# Altium PCB LimePSB-RPCM_1v2.PcbDoc (part 5 of 10)
Units mm, origin at the board's own origin, x right, y up, seen from the top; angles counter-clockwise.
Board outline 170 x 110 mm, 6 copper layers (Top, L2, L3, L4, L5, Bottom), stack 1.583 mm thick; 800 components, 483 nets, 3453 pads, 1534 vias.
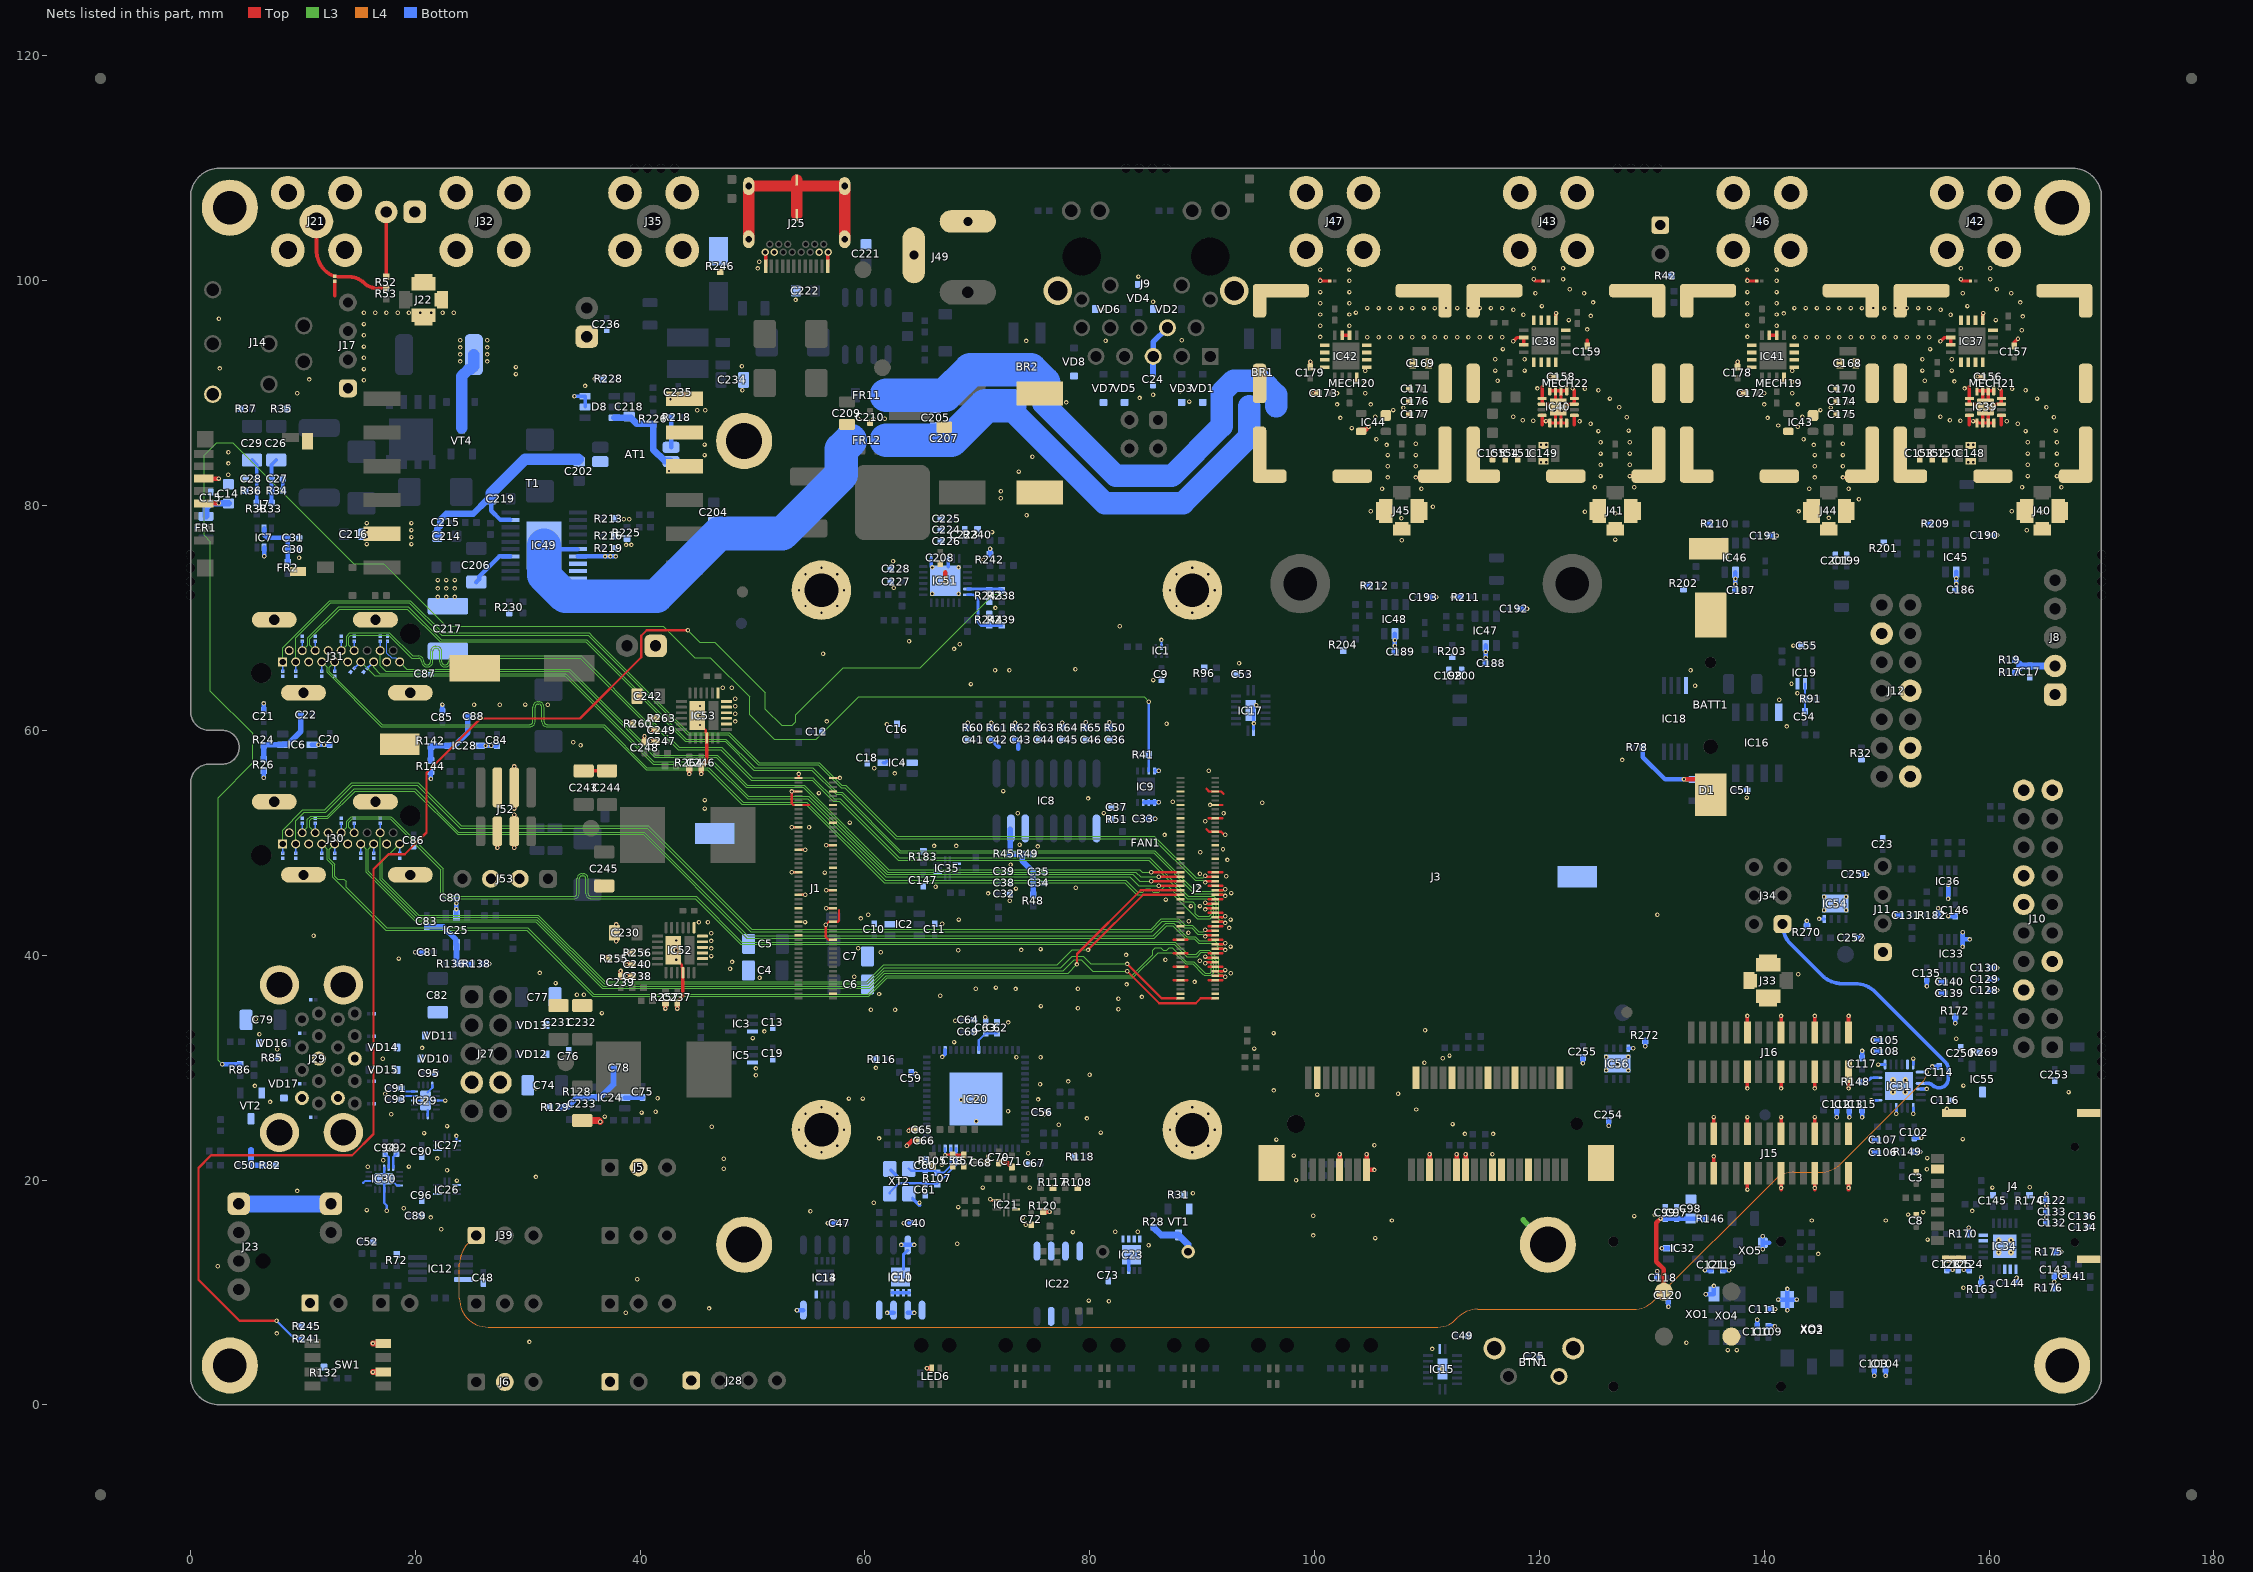
[diagram p9: the nets of this part, all layers, seen from the top]

## Via types
v1: diameter 0.4, hole 0.2, Top to Bottom, tented both sides, 1514 vias
v2: diameter 0.5, hole 0.2, Top to Bottom, tented both sides, 20 vias

## Nets (pads, with @x,y where several pads share a name; then routed paths per layer and width w, separated by ;. In a path a pad name is that pad's centre, name@x,y a point inside that pad or via, vN(x,y) a via of type N, cw(c..) or ccw(c..) an arc to the next point about the centre after c; other vN are vias at no path point) (continued)
GND: BATT1.NEGATIVE BTN1.2 BTN1.Shield C3.1 C4.1 C5.1 C6.1 C7.1 C8.1 C9.2 C10.2 C11.2 C12.2 C13.2 C14.1 C15.2 C16.2 C17.2 C18.2 C19.2 C20.2 C21.2 C23.2 C24.2 C25.2 C27.2 C28.1 C30.1 C31.2 C32.1 C33.2 C34.1 C35.2 C36.2 C37.2 C38.1 C39.1 C40.2 C41.2 C42.2 C43.2 C44.2 C45.2 C46.2 C47.2 C48.2 C49.1 C51.2 C52.2 C53.1 C55.2 C56.1 C57.1 C58.2 C59.2 C60.1 C61.1 C62.1 C63.2 C64.1 C65.2 C66.2 C67.2 C68.2 C69.2 C70.2 C71.1 C72.2 C73.2 C74.1 C75.2 C76.2 C77.1 C79.1 C80.2 C81.2 C82.1 C84.2 C85.2 C86.2 C87.2 C89.2 C90.2 C95.2 C96.2 C97.1 C98.1 C99.2 C102.1 C103.1 C104.1 C105.1 C106.1 C107.1 C108.1 C109.1 C110.1 C111.1 C112.1 C113.1 C114.1 C115.1 C116.1 C117.1 C118.1 C119.1 C120.1 C121.1 C122.1 C123.1 C124.2 C125.2 C128.1 C129.2 C130.2 C131.1 C132.2 C133.2 C134.1 C135.2 C136.2 C139.1 C140.2 C141.1 C143.1 C144.2 C145.2 C146.2 C147.2 C148.2 C149.2 C150.1 C151.1 C152.2 C153.1 C154.2 C155.1 C156.2 C157.1 C158.2 C159.1 C168.2 C169.2 C170.1 C171.1 C172.2 C173.2 C174.2 C175.1 C176.2 C177.1 C178.2 C179.2 C186.2 C187.2 C188.2 C189.2 C190.2 C191.2 C192.2 C193.2 C198.1 C199.1 C200.2 C201.2 C207.1 C208.2 C209.1 C210.2 C211.2 C212.2 C217.1 C221.1 C222.1 C223.1 C224.1 C225.2 C226.2 C227.2 C228.2 C230.1 C231.1 C232.1 C233.1 C234.1 C235.2 C236.2 C237.2 C238.2 C239.2 C240.2 C242.1 C243.1 C244.1 C245.1 C246.2 C247.2 C248.2 C249.1 C250.1 C251.1 C252.1 C253.1 C254.1 C255.1 D8.5 D8.6 ESD1.2 ESD2.2 ESD3.2 ESD4.2 ESD5.2 ESD6.2 ESD7.2 ESD8.2 ESD9.2 ESD10.2 ESD11.2 ESD12.2 ESD13.2 ESD14.2 ESD15.2 ESD16.2 ESD17.2 ESD18.2 ESD19.2 ESD20.2 ESD21.2 ESD22.2 ESD23.2 ESD24.2 ESD25.2 ESD26.2 ESD27.2 ESD28.2 ESD29.2 ESD30.2 ESD31.2 ESD32.2 ESD33.2 ESD34.2 ESD35.2 ESD36.2 ESD37.2 FAN1.1 IC1.2 IC2.2 IC3.3 IC4.2 IC4.5 IC5.3 IC6.2 IC7.2 IC8.9 IC8.14 IC9.4 IC9.5 IC9.6 IC9.7 IC10.1 IC10.2 IC10.3 IC10.4 IC10.7 IC11.1 IC11.2 IC11.3 IC11.4 IC11.7 IC11.PAD IC12.4 IC13.4 IC14.4 IC15.8 IC15.PAD IC16.4 IC17.8 IC17.PAD IC18.4 IC19.3 IC20.19 IC20.PAD IC21.3 IC21.8 IC22.1 IC22.2 IC22.3 IC22.4 IC22.7 IC23.1 IC23.2 IC23.3 IC23.4 IC23.7 IC23.PAD IC24.2 IC25.2 IC26.3 IC26.8 IC27.3 IC27.8 IC28.2 IC29.3 IC29.7 IC29.12 IC29.18 IC29.PAD IC30.3 IC30.7 IC30.12 IC30.18 IC30.PAD IC31.1 IC31.7 IC31.11 IC31.12 IC31.16 IC31.19 IC31.22 IC31.25 IC32.2 IC33.8 IC34.1 IC34.2 IC34.3 IC34.9 IC34.10 IC34.21 IC35.3 IC35.8 IC36.5 IC37.4 IC37.5 IC37.6 IC37.7 IC37.8 IC37.10 IC37.11 IC37.13 IC37.14 IC37.15 IC37.16 IC38.4 IC38.5 IC38.6 IC38.7 IC38.8 IC38.10 IC38.11 IC38.13 IC38.14 IC38.15 IC38.16 IC39.1 IC39.3 IC39.4 IC39.5 IC39.6 IC39.7 IC39.8 IC39.9 IC39.10 IC39.12 IC39.13 IC39.14 IC39.15 IC39.16 IC39.PAD IC40.1 IC40.3 IC40.4 IC40.5 IC40.6 IC40.7 IC40.8 IC40.9 IC40.10 IC40.12 IC40.13 IC40.14 IC40.15 IC40.16 IC40.PAD IC41.4 IC41.5 IC41.6 IC41.7 IC41.8 IC41.10 IC41.11 IC41.13 IC41.14 IC41.15 IC41.16 IC42.4 IC42.5 IC42.6 IC42.7 IC42.8 IC42.10 IC42.11 IC42.13 IC42.14 IC42.15 IC42.16 IC43.2 IC43.4 IC44.2 IC44.4 IC45.2 IC46.2 IC47.2 IC48.2 IC51.19 IC51.22 IC51.25 IC52.4 IC52.8 IC52.9 IC52.10 IC52.11 IC52.12 IC52.13 IC52.25 IC53.4 IC53.8 IC53.9 IC53.10 IC53.11 IC53.12 IC53.13 IC53.25 IC54.4 IC54.9 IC55.3 IC56.4 IC56.9 J1.1 J1.2 J1.7 J1.8 J1.13 J1.14 J1.22 J1.23 J1.32 J1.33 J1.42 J1.43 J1.52 J1.53 J1.59 J1.60 J1.65 J1.66 J1.71 J1.74 J1.98 J2.7 J2.8 J2.13 J2.14 J2.19 J2.20 J2.25 J2.26 J2.31 J2.32 J2.37 J2.38 J2.44 J2.50 J2.55 J2.56 J2.61 J2.62 J2.67 J2.68 J2.73 J2.74 J2.79 J2.80 J2.85 J2.86 J2.91 J2.92 J2.97 J2.98 J3.4 J3.9 J3.15 J3.18 J3.21 J3.26 J3.27 J3.29 J3.34 J3.35 J3.37 J3.40 J3.43 J3.50 J3.53 J3.54 J4.C5 J4.G1 J4.G2 J4.G3 J4.G4 J5.2 J6.2 J7.6 J7.12 J7.13 J8.1 J9.S1 J9.S2 J10.6 J10.7 J10.12 J10.14 J10.19 J10.20 J11.1 J12.1 J12.3 J12.7 J12.12 J14.4 J15.1 J15.4 J15.7 J15.10 J15.13 J16.1 J16.4 J16.7 J16.10 J17.1 J18.1 J19.1 J20.1 J21.2 J22.2 J25.A1 J25.A12 J25.B1 J25.B12 J25.GND J25.GND1 J25.Shell J27.7 J27.8 J28.1 J29.4 J29.7 J29.13 J29.16 J29.SHIELD J30.2 J30.5 J30.8 J30.11 J30.17 J30.S1 J30.S2 J30.S3 J30.S4 J31.2 J31.5 J31.8 J31.11 J31.17 J31.S1 J31.S2 J31.S3 J31.S4 J32.2 J33.2 J35.2 J40.2 J41.2 J42.2 J43.2 J44.2 J45.2 J46.2 J47.2 J48.1 J49.2 J49.3 J50.1 J51.1 J52.2 J52.3 J53.2 J53.3 LED6.3 MECH19.1 MECH20.1 MECH21.1 MECH22.1 MECH30.MH1 MECH31.MH1 MECH32.MH1 MECH33.MH1 pad.1 R26.1 R31.2 R32.1 R34.1 R35.2 R36.2 R37.1 R42.2 R49.2 R50.2 R51.2 R60.1 R61.1 R62.1 R63.1 R64.1 R65.1 R72.2 R82.1 R85.2 R96.2 R105.2 R108.2 R116.1 R117.2 R118.1 R120.2 R129.1 R132.2 R138.1 R144.1 R149.1 R163.1 R170.1 R172.2 R174.2 R175.2 R176.1 R182.2 R183.2 R201.2 R202.2 R203.2 R204.2 R209.1 R210.1 R211.1 R212.1 R228.2 R240.2 R242.1 R243.1 R244.1 R245.2 R246.2 R255.2 R256.2 R257.1 R260.2 R263.2 R264.1 R269.2 R270.2 R272.2 SW1.6 SW1.8 T1.10 T1.11 T1.12 TP7.1 TP8.1 TP9.1 TP10.1 VD1.K VD2.K VD3.K VD4.K VD5.K VD6.K VD7.K VD8.K VD10.K VD11.K VD12.K VD13.K VD14.K VD15.K VD16.K VD17.K VD22.A VT1.S VT2.S XO1.2 XO2.2 XO3.2 XO4.4 XO5.2 XT2.2 XT2.4 | length 338.7
  Top w0.15: 57.69,43.065 57.69,44.025
  Top w0.2: IC52.25@42.95,40.45 43.075,40.325 43.55,39.85 43.55,39.3 43.7,39.15 43.7,38.925 IC52.4@43.8,38.825 ; IC53.25@45.075,61.325 45.2,61.2 45.675,60.725 45.675,60.175 45.825,60.025 45.825,59.8 IC53.4@45.925,59.7 ; v1(53.475,47.375) J1.43@54.085,47.375 ; v1(53.475,51.375) J1.23@54.085,51.375 ; J1.53@54.085,45.375 v1(54.695,45.375) ; J1.33@54.085,49.375 v1(54.695,49.375) ; J1.7@54.085,54.575 v1(53.475,54.575) 53.475,53.525 53.625,53.375 55.075,53.375 ; J1.1@54.085,55.775 54.1,55.775 v1(54.1,56.125) ; v1(56.555,44.175) J1.60@57.165,44.175 ; v1(56.555,45.775) J1.52@57.165,45.775 ; v1(56.555,49.775) J1.32@57.165,49.775 ; J1.74@57.165,41.375 56.75,41.375 56.5,41.625 v1(56.5,42.7) 56.775,42.975 57.575,42.975 57.665,43.065 ; J1.2@57.165,55.775 v1(57.775,55.775) ; v1(71.15,18.3) 71.25,18.2 IC21.3@71.725,18.2 ; 87.475,37.775 88.695,37.775 ; 87.475,38.975 88.695,38.975 ; 87.475,40.175 88.695,40.175 ; 87.475,41.375 88.695,41.375 ; 90.375,51.2 90.6,50.975 J2.26@91.165,50.975 91.7,50.975 v1@91.9,50.775 ; 90.375,54.8 90.6,54.575 J2.8@91.165,54.575 91.7,54.575 91.9,54.375 ; 90.555,37.775 91.775,37.775 ; 90.555,38.975 91.775,38.975 ; 90.555,40.175 91.775,40.175 ; 90.555,41.375 91.775,41.375 ; 90.555,42.575 91.775,42.575 ; 90.555,43.775 91.775,43.775 ; 90.555,44.975 J2.56@91.165,44.975 91.775,44.975 ; 90.555,46.175 91.775,46.175 ; 90.555,47.375 91.775,47.375 ; 90.555,52.175 91.775,52.175 ; v1(90.7,53.375) 91.775,53.375
  Top w0.3: 12.825,98.675 ESD1.2@12.825,99.95 ; C243.1@34.975,56.4 C244.1@37.05,56.4 ; J25.A12@51.175,101.295 J25.B1@51.175,102.495 ; J25.A1@56.675,101.295 J25.B12@56.675,102.495 ; v1@100.5,100.125 100.65,99.975 ESD37.2@101.35,99.975 ; IC42.11@102.45,95.165 IC42.10@103.1,95.165 ; v1(109,82.5) 109.7,82.5 MECH20.1@109.85,82.35 ; v1(117.675,94.625) 118,94.95 IC38.10@118.6,94.95 IC38.11@118.6,94.3 ; v1(119.5,100.125) 119.65,99.975 ESD35.2@120.35,99.975 ; 120.25,87.175 IC40.12@120.25,88.025 ; 120.25,90.575 IC40.10@120.25,89.025 IC40.PAD@121.1,89.025 ; v1(120.575,87.525) 120.594,87.506 120.925,87.506 IC40.13@120.925,87.35 IC40.14@121.425,87.35 ; IC40.8@120.925,90.2 IC40.5@122.425,90.2 ; IC40.PAD@121.425,88.2 IC40.14@121.425,87.35 ; IC40.PAD@121.425,89.35 IC40.7@121.425,90.2 ; IC38.5@121.45,96.5 v1@121.45,97.15 ; IC40.PAD@121.925,88.2 IC40.15@121.925,87.35 ; IC40.PAD@121.925,89.35 IC40.6@121.925,90.2 ; IC40.PAD@122.25,89.025 IC40.3@123.1,89.025 123.1,90.275 v1(122.95,90.425) ; IC40.16@122.425,87.35 IC40.15@121.925,87.35 ; 123.1,87.175 IC40.1@123.1,88.025 ; C159.1@124.25,94.2 124.25,94.7 ; v1(128.04,82.625) 128.74,82.625 MECH22.1@128.89,82.475 ; v1@138.5,100.125 138.65,99.975 ESD36.2@139.35,99.975 ; IC41.11@140.45,95.165 IC41.10@141.1,95.165 ; v1(147,82.5) 147.7,82.5 MECH19.1@147.85,82.35 ; v1(155.675,94.625) 156,94.95 IC37.10@156.6,94.95 IC37.11@156.6,94.3 ; v1(157.5,100.125) 157.65,99.975 ESD34.2@158.35,99.975 ; 158.25,87.175 IC39.12@158.25,88.025 ; 158.25,90.575 IC39.10@158.25,89.025 IC39.PAD@159.1,89.025 ; v1(158.575,87.525) 158.594,87.506 158.925,87.506 IC39.13@158.925,87.35 IC39.14@159.425,87.35 ; IC39.8@158.925,90.2 IC39.5@160.425,90.2 ; IC39.PAD@159.425,88.2 IC39.14@159.425,87.35 ; IC39.PAD@159.425,89.35 IC39.7@159.425,90.2 ; IC37.5@159.45,96.5 v1@159.45,97.125 ; IC39.PAD@159.925,88.2 IC39.15@159.925,87.35 ; IC39.PAD@159.925,89.35 IC39.6@159.925,90.2 ; IC39.PAD@160.25,89.025 IC39.3@161.1,89.025 161.1,90.275 v1(160.95,90.425) ; IC39.16@160.425,87.35 IC39.15@159.925,87.35 ; 161.1,87.175 IC39.1@161.1,88.025 ; C157.1@162.25,94.2 162.25,94.525 v1(162.575,94.85) ; IC40.14@121.425,87.35 IC40.15@121.925,87.35 ; IC39.14@159.425,87.35 IC39.15@159.925,87.35 ; v1(54.125,24.475) 54.418,25.182 v1(54.711,25.889) 55.418,26.182 v1(56.125,26.475) 56.832,26.182 v1(57.539,25.889) 57.832,25.182 v1(58.125,24.475) 57.832,23.768 v1(57.539,23.061) 56.832,22.768 v1(56.125,22.475) 55.418,22.768 v1(54.711,23.061) 54.418,23.768 v1(54.125,24.475) ; v1(54.125,72.475) 54.418,73.182 v1(54.711,73.889) 55.418,74.182 v1(56.125,74.475) 56.832,74.182 v1(57.539,73.889) 57.832,73.182 v1(58.125,72.475) 57.832,71.768 v1(57.539,71.061) 56.832,70.768 v1(56.125,70.475) 55.418,70.768 v1(54.711,71.061) 54.418,71.768 v1(54.125,72.475) ; v1(87.125,24.475) 87.418,23.768 v1(87.711,23.061) 88.418,22.768 v1(89.125,22.475) 89.832,22.768 v1(90.539,23.061) 90.832,23.768 v1(91.125,24.475) 90.832,25.182 v1(90.539,25.889) 89.832,26.182 v1(89.125,26.475) 88.418,26.182 v1(87.711,25.889) 87.418,25.182 v1(87.125,24.475) ; v1(87.125,72.475) 87.418,73.182 v1(87.711,73.889) 88.418,74.182 v1(89.125,74.475) 89.832,74.182 v1(90.539,73.889) 90.832,73.182 v1(91.125,72.475) 90.832,71.768 v1(90.539,71.061) 89.832,70.768 v1(89.125,70.475) 88.418,70.768 v1(87.711,71.061) 87.418,71.768 v1(87.125,72.475)
  Top w0.309: C237.2@43.3,35.75 43.3,35.869 43.804,36.374 IC52.4@43.804,38.825 ; C246.2@45.425,56.625 45.425,56.744 45.93,57.249 IC53.4@45.93,59.7
  Top w0.325: J15.13@135.5,20.625 v1(135.5,22.1) ; J15.13@135.5,24.125 v1(135.5,25.6) ; v1(138.5,19.15) J15.10@138.5,20.625 ; J15.10@138.5,24.125 v1(138.5,25.6) ; v1(138.5,28.15) J16.10@138.5,29.625 ; J16.10@138.5,33.125 v1(138.5,34.6) ; v1@141.5,19.15 J15.7@141.5,20.625 ; J15.7@141.5,24.125 v1(141.5,25.6) ; v1(141.5,28.15) J16.7@141.5,29.625 ; J16.7@141.5,33.125 v1(141.5,34.6) ; v1@144.5,19.15 J15.4@144.5,20.625 ; J15.4@144.5,24.125 v1(144.5,25.6) ; v1(144.5,28.15) J16.4@144.5,29.625 ; J16.4@144.5,33.125 v1(144.5,34.6) ; v1@147.5,19.15 J15.1@147.5,20.625 ; v1(147.5,28.15) J16.1@147.5,29.625 ; J16.1@147.5,33.125 v1(147.5,34.6)
  Top w0.4: J7.6@1.18,82.4 v1(2.5,82.4) ; v1(27.3,49.55) J52.3@27.3,51.025 ; v1(28.8,49.55) J52.2@28.8,51.025 v1(28.8,52.5) ; v1(28.8,53.05) J52.2@28.8,54.925 v1(28.8,56.8) ; v1(37.862,41.24) v1(37.862,42.74) ; C239.2@38.261,38.1 v1(38.261,38.6) ; v1(38.8,38.15) C238.2@39.3,38.15 ; v1(38.8,39.175) C240.2@39.3,39.175 ; v1(38.8,40.225) R256.2@39.3,40.225 ; C248.2@40.386,58.975 v1(40.386,59.475) ; v1(40.925,59.025) C247.2@41.425,59.025 ; v1(40.925,60.05) C249.1@41.425,60.05 ; v1(40.925,61.1) R263.2@41.425,61.1 ; v1(42.25,35.25) R257.1@42.25,35.75 ; v1(43.3,35.25) C237.2@43.3,35.75 ; v1(44.375,56.125) R264.1@44.375,56.625 ; v1(45.425,56.125) C246.2@45.425,56.625 ; v1(63.725,23.05) 64.15,23.475 C66.2@64.775,23.475 ; v1(63.875,24.375) 63.975,24.475 C65.2@64.575,24.475 ; v1(65.51,3.253) LED6.3@65.96,3.253 ; v1(67.15,73.325) 67.15,74.05 ; C70.2@71.9,21.525 72.7,21.525 C71.1@73.075,21.15 ; R120.2@75.85,17.2 75.875,17.175 v1(76.425,17.175) ; C179.2@99.625,92.325 v1(99.625,92.8) ; v1(99.85,90.015) C173.2@100.325,90.015 ; J3.9@102.225,20.9 v1(102.225,22.3) ; IC44.4@104.14,86.75 104.55,86.75 v1(104.8,87) ; v1(104.625,22.3) J3.15@104.625,20.9 v1(105.325,20.9) ; J3.21@110.225,20.9 v1(110.225,22.3) ; J3.27@112.625,20.9 v1(112.625,22.3) ; J3.29@113.425,20.9 v1(113.425,22.3) ; v1(120.965,91.475) C158.2@121.44,91.475 ; C178.2@137.625,92.325 v1(137.625,92.8) ; v1(137.85,90.015) C172.2@138.325,90.015 ; v1(158.965,91.475) C156.2@159.44,91.475
  Top w0.5: v1(16.225,2.92) SW1.6@17.14,2.92 ; v1(16.225,5.46) SW1.8@17.14,5.46
  Top w0.6: C233.1@34.85,25.3 36.325,25.3 v1(36.45,25.175)
  Top w1: J25.Shell@49.655,103.695 J25.Shell@49.655,108.425 ; J25.Shell@53.925,105.875 53.925,108.425 ; J25.Shell@53.925,108.975 53.925,108.425 ; J25.Shell@58.195,103.695 J25.Shell@58.195,108.425 ; J25.Shell@49.655,108.425 J25.Shell@58.195,108.425 ; J25.Shell@49.655,108.425 53.925,108.425 ; 53.925,108.425 J25.Shell@58.195,108.425
  L3 w0.5: 118.55,16.45 FAN1.1@120.75,14.25
  Bottom w0.2: 15.368,19.757 15.537,19.925 IC30.7@15.846,19.925 17.023,19.925 v1(17.223,20.125) ; IC30.12@17.223,21.102 17.223,17.952 17.45,17.725 v1(17.45,17.275) ; IC30.PAD@17.875,19.925 17.95,19.925 18.35,19.525 IC30.18@18.6,19.525 ; IC29.12@19.923,27.075 IC29.PAD@20.446,27.075 ; IC29.7@21.1,25.698 IC29.PAD@21.1,26.221 ; IC29.PAD@21.1,27.802 21.5,28.202 IC29.18@21.5,28.452 ; IC29.PAD@21.354,27.075 IC29.3@21.877,27.075 v1(22.65,27.075) ; v1(23.65,23.925) 23.65,23.485 23.66,23.475 IC27.3@23.675,23.475 ; IC1.2@86.375,67.437 v1(86.375,68.044)
  Bottom w0.25: IC17.8@94.564,60.12 94.564,62.014 v1(94.8,62.25) ; v1@149.54,27.1 IC31.1@150.075,27.1 ; v1@150.215,30.275 IC31.7@150.75,30.275 ; v1@151.75,25.89 IC31.22@151.75,26.425 ; v1(153.249,25.889) IC31.19@153.25,26.425 ; IC31.12@153.25,30.275 v1@153.25,30.81 ; IC31.16@153.925,28.1 v1@154.46,28.1
  Bottom w0.3: v1(34.15,89.725) D8.6@35.1,89.725 D8.5@35.1,88.775 ; IC4.5@61.6,57.125 61.8,57.125 61.95,57.275 IC4.5@61.95,57.25 ; XT2.4@62.282,20.893 v1(62.95,20.225) ; IC11.4@62.425,9.975 IC11.1@63.925,9.975 ; IC11.PAD@63.425,12.059 63.425,13.349 IC10.7@63.81,13.734 ; XT2.2@64.225,18.4 64.893,17.732 ; IC51.25@65.9,74.575 IC51.19@65.9,75.291 ; v1(66.875,30.95) 67.125,31.2 IC20.19@67.125,31.575 ; IC51.25@67.4,74.575 IC51.22@67.4,75.291 ; IC23.7@83.45,11.95 IC23.PAD@83.45,13.175 ; IC56.4@127.9,31.725 v1(128.35,31.725) ; v1(144.875,43.225) IC54.4@145.325,43.225 ; C123.1@156.25,12 v1(156.75,12) ; v1(157.75,12) C124.2@158.25,12 ; C143.1@165.776,11.45 v1(166.325,11.45) C141.1@166.874,11.45 ; R176.1@165.799,10.4 v1(165.8,10.95) C143.1@165.799,11.498
  Bottom w0.325: R34.1@8.2,81.325 C27.2@8.2,82.375
  Bottom w0.4: v1(6.51,55.796) R26.1@6.51,56.423 ; C21.2@6.51,61.773 v1(6.51,62.4) ; v1(6.55,75.5) IC7.2@6.55,76.275 ; IC6.2@10.8,58.725 C20.2@12.385,58.725 ; v1(19.983,40.265) C81.2@20.61,40.265 ; v1(21.385,55.696) R144.1@21.385,56.323 ; C85.2@22.41,61.673 v1(22.41,62.3) ; IC25.2@23.658,43.53 C80.2@23.658,45.115 ; IC28.2@25.675,58.625 C84.2@27.26,58.625 ; R138.1@25.96,39.24 v1(26.587,39.24) ; IC24.2@38.625,27.337 C75.2@40.21,27.337 ; v1(53.945,8.425) IC13.4@54.52,8.425 ; v1(56.7,16.175) C47.2@57.275,16.175 ; v1(61.965,8.175) IC10.3@62.54,8.175 ; v1(63.235,14.225) IC10.7@63.81,14.225 v1(64.385,14.225) ; v1(63.45,16.175) C40.2@64.025,16.175 ; IC10.2@63.81,8.175 v1(64.385,8.175) ; C59.2@64.125,29.575 64.125,29.525 64.175,29.475 v1(64.5,29.475) ; v1(69.15,60.675) R60.1@69.151,60.235 R60.1@69.151,60.235 ; R242.1@71.116,75.67 71.125,75.679 v1(71.125,76.15) ; R61.1@71.251,60.235 v1(71.25,60.675) ; C42.2@71.251,59.185 71.883,58.553 ; R62.1@73.35,60.236 v1(73.35,60.675) ; C43.2@73.351,59.185 73.625,58.911 73.625,58.375 ; R63.1@75.425,60.261 v1(75.425,60.7) ; R64.1@77.55,60.261 v1(77.55,60.7) ; R65.1@79.65,60.286 v1(79.65,60.725) ; R50.2@81.75,60.286 v1(81.75,60.725) ; IC9.7@84.85,53.6 v1(86.125,53.6) ; C33.2@85.25,52.149 v1(85.825,52.149) ; IC9.4@85.85,56.4 v1(86.125,56.4) ; v1(104.221,72.89) R212.1@104.848,72.89 ; C189.2@107.15,67.015 IC48.2@107.15,68.6 ; C193.2@110.198,71.865 v1(110.825,71.865) ; v1(112.298,71.85) R211.1@112.925,71.85 ; C188.2@115.227,65.975 IC47.2@115.227,67.56 ; C192.2@118.275,70.825 v1(118.902,70.825) ; v1(123.875,30.4) C255.1@123.875,30.9 ; v1(126.175,24.825) C254.1@126.175,25.325 ; v1(129.425,31.9) R272.2@129.425,32.4 ; C118.1@130.475,11.3 v1(130.475,11.875) ; v1(130.9,13.925) IC32.2@131.475,13.925 ; v1(131.475,8.725) C120.1@131.475,9.3 ; v1(134.508,78.363) R210.1@135.135,78.363 ; v1(134.725,11.975) C121.1@135.3,11.975 ; v1(134.8,9.85) XO4.4@135.525,9.85 v1(135.525,10.575) ; C119.1@136.3,11.975 v1(136.875,11.975) ; C187.2@137.437,72.488 IC46.2@137.437,74.072 ; C110.1@139.375,7 v1(139.375,7.575) ; v1(139.875,13.85) XO5.2@139.875,14.425 ; v1(139.875,15) XO5.2@139.875,14.425 ; C109.1@140.375,7 v1(140.95,7) ; C111.1@140.425,8.525 v1(141,8.525) ; 140.45,14.425 XO5.2@139.875,14.425 ; C191.2@140.485,77.338 v1(141.112,77.338) ; v1(141.239,9.365) XO2.2@142.064,9.365 ; v1(142.064,8.415) XO2.2@142.064,9.365 ; v1(142.064,10.315) XO2.2@142.064,9.365 ; v1(142.889,9.365) XO2.2@142.064,9.365 ; R270.2@143.8,42.55 v1(143.8,43.05) ; v1(146.449,25.589) C112.1@146.45,26.225 ; v1(147.574,25.589) C113.1@147.575,26.225 ; C252.1@148.275,41.55 v1(148.775,41.55) ; C251.1@148.65,47.225 v1(149.15,47.225) ; v1(148.699,25.589) C115.1@148.7,26.225 ; C117.1@148.7,30.85 v1(148.701,31.486) ; v1(149.439,22.451) C106.1@150.075,22.45 ; v1(149.439,23.576) C107.1@150.075,23.575 ; v1@149.614,31.45 C108.1@150.25,31.45 ; v1(149.614,32.451) C105.1@150.25,32.45 ; v1(149.79,2.59) C103.1@149.79,3.165 ; v1(150.79,2.59) C104.1@150.79,3.165 ; v1(151.504,43.55) C131.1@152.14,43.549 ; R149.1@153.25,22.525 v1(153.886,22.524) ; C102.1@153.35,23.75 v1@153.986,23.75 ; v1(154.146,78.39) R209.1@154.773,78.39 ; v1(154.473,37.239) C135.2@154.474,37.874 ; v1(154.939,30.101) C114.1@155.575,30.1 ; v1@155.363,36.624 C139.1@155.999,36.624 ; v1(155.364,37.63) C140.2@155.999,37.63 ; R182.2@155.465,43.549 v1(155.464,44.185) ; v1(156.348,45.014) IC36.5@156.349,45.649 v1(156.348,46.285) ; v1@156.366,43.488 C146.2@157.001,43.488 ; v1(156.999,33.939) R172.2@156.999,34.575 ; C186.2@157.075,72.515 IC45.2@157.075,74.1 ; v1(157.648,40.764) IC33.8@157.649,41.399 ; v1(157.649,42.035) IC33.8@157.649,41.399 ; R170.1@158.2,15.2 v1(158.2,15.775) ; v1(158.284,41.399) IC33.8@157.649,41.399 ; R163.1@159.3,10.775 v1(159.3,11.35) ; C128.1@160.098,36.864 v1(160.734,36.864) ; C129.2@160.098,37.864 160.734,37.864 ; C130.2@160.098,38.864 v1(160.734,38.864) ; C190.2@160.123,77.365 v1(160.75,77.365) ; C144.2@162.45,10.825 v1(162.45,11.3) ; C132.2@165.1,16.2 C122.1@165.1,18.2 v1(165.1,18.775) ; R175.2@165.849,13.6 v1(166.424,13.6)
  other v1: 111.375,3.184 136.75,4.875 137.55,4.875 110.475,4.975 133.075,5.525 30.15,5.6 7.675,6.35 38.725,8.2 46.125,8.575 81.7,9.225 79.9,9.275 157.725,10.425 39.75,11.175 2.425,12.325 144.8,13.425 85.225,14.2 68.2,14.325 154.525,14.7 105.388,14.838 99.875,15.075 78.5,15.375 82.275,15.4 84.275,15.4 22.3,15.625 74.3,16 106.875,16.4 144.225,16.4 150.8,16.4 74.05,16.65 21.375,16.675 165.1,16.7 128.425,16.8 99.875,16.825 130.275,16.9 152.8,16.925 154.15,17.15 55.15,17.225 158.5,17.25 15.675,17.325 18.975,17.5 68.3,17.6 165.1,17.7 60.775,17.975 64.85,18 89.175,18.825 9.5,19.025 141.5,19.3 144.5,19.3 147.5,19.3 74.65,19.325 160.3,19.325 70.475,19.331 163.625,19.35 23.7,19.95 98.35,19.975 30.725,20.275 22.825,20.875 154.475,20.95 47.425,21 15.775,21.175 19.425,21.2 66.825,21.35 65,21.675 17.15,21.75 47.425,21.9 21.95,21.925 154.5,21.95 70.95,22.1 98.15,22.175 115.825,22.3 74.525,22.375 105.325,23.1 96.6,23.6 157.65,23.65 61.25,23.7 153.986,23.749 113.375,24.1 115.875,24.1 20.775,24.175 80.975,24.225 46.375,24.75 22.825,24.8 77.238,24.922 112.275,24.975 69.9,25.225 79.75,25.475 36.85,25.65 17.85,25.85 75.95,25.85 151.749,25.889 40.125,26 41.375,26.075 72.725,26.125 109.05,26.275 156.25,26.325 7.075,26.95 20.9,27.075 149.539,27.101 68.55,27.15 75.4,27.175 69.875,27.2 58.575,27.25 59.8,27.25 41.55,27.275 100.225,27.6 17.3,27.675 107.425,27.675 167.075,27.825 96.375,27.975 154.461,28.101 30.7,28.15 5.725,28.375 157.725,28.4 75.575,28.525 78.075,28.775 50.3,29.325 79.975,29.375 125.95,29.75 127.9,29.75 50.3,29.925 60.975,29.975 150.139,30.274 126.925,30.35 109.775,30.425 17.1,30.8 111.4,30.825 153.249,30.811 73.475,30.925 75.625,30.925 125.95,30.95 127.9,30.95 112,31.075 149.614,31.451 7.725,31.625 94.625,31.7 20.6,31.75 67.925,32.275 157.075,32.575 50.025,32.625 6.125,32.975 96.35,33.075 51.05,33.225 109.825,33.325 72.75,34.025 68.025,34.175 5.8,34.3 70.7,34.475 36.6,34.85 60.525,35.15 62.675,35.15 82.55,35.2 78.95,35.275 75.65,35.475 82.55,36.125 84.639,36.286 66.7,36.4 34.375,36.475 35,36.475 61.25,36.55 155.363,36.625 73.4,37 69.85,37.025 78.95,37.025 71.65,37.125 83.275,37.4 32.475,37.525 89.325,37.625 50.625,38 59.05,38.075 143.025,38.3 92.55,38.4 31.075,38.425 48,38.8 48.175,39.4 89.775,39.5 86.725,39.6 18.525,39.7 46.325,39.925 83.225,40.025 61.4,40.275 68.3,40.45 73.9,40.475 75.625,40.55 46.325,40.6 59.4,40.625 92.525,40.775 46.325,41.275 10.95,41.725 46.325,41.95 88.775,42 92.4,42.425 66.875,42.8 45.225,42.925 46.025,42.925 54.675,42.95 88.8,43.025 68.35,43.175 92.525,43.175 59.625,43.275 156.366,43.487 60.3,43.6 130.5,43.6 145.325,44 147.275,44 23.658,44.105 89,44.375 89.8,44.375 146.3,44.6 23.658,44.605 72.875,44.85 86.75,44.95 145.325,45.2 147.275,45.2 70.95,45.5 92.575,45.525 73.425,45.925 78.75,46 66.275,46.1 89.8,46.075 92.15,47.025 89.8,47.25 56.425,47.35 72.95,48.05 92.25,48.475 89.825,49.15 91.85,49.425 75.375,49.675 66.15,49.725 68.125,49.725 73.75,49.825 86.65,50.7 92.05,50.725 55.025,51.375 58.65,51.8 90.275,51.925 73.6,52.625 91.9,52.625 81.25,52.65 45.75,53.05 95.35,53.575 87.375,53.65 45.75,53.8 79.85,53.95 138.45,54.025 55.9,54.425 72.3,54.6 62.65,56.175 90.575,56.4 60.825,56.625 63.35,57.1 127.375,57.375 26.25,58.625 26.75,58.625 34.7,58.675 11.375,58.725 11.875,58.725 34.05,58.95 142,60.35 61.95,60.55 86.825,60.6 94.6,60.625 48.45,60.8 56.6,60.8 48.45,61.475 48.45,62.15 25.225,62.275 27.5,62.275 31.775,62.275 29.775,62.3 141.325,62.725 48.45,62.825 142.95,63.3 47.35,63.8 48.15,63.8 133.85,63.975 69.425,64.125 142.425,64.15 85.65,64.475 71.575,65.35 72.85,65.35 133.45,65.35 78.725,65.45 93.275,65.975 115.227,66.485 56.275,66.825 115.227,66.985 67.925,67.25 107.15,67.525 142.6,67.55 68.425,67.675 63.925,67.925 107.15,68.025 82.675,69.275 71.6,70.9 65.975,72.15 68.325,72.15 62.55,72.675 137.437,72.998 157.075,73.025 137.437,73.498 157.075,73.525 65.975,74.5 68.325,74.5 62.5,75.05 70.525,75.2 9.65,75.35 107.75,76.925 126.75,76.975 71.3,77.65 163.35,77.8 107.725,78.875 145.75,78.9 74.375,79.15 126.75,79.325 164.75,79.4 124.05,79.45 143.05,79.475 105,79.5 162.025,79.5 110.525,79.9 148.425,80.575 72.075,80.65 72.1,81.275 106,81.5 109.5,81.5 144,81.5 147.5,81.5 124.94,81.625 128.44,81.625 162.94,81.625 166.44,81.625 106.5,82.5 144.5,82.5 125.44,82.625 163.44,82.625 166.04,82.625 3.35,82.75 73.675,83.025 42.575,83.075 106.5,83.5 109,83.5 144.5,83.5 147,83.5 125.44,83.625 128.04,83.625 163.44,83.625 166.04,83.625 3.375,83.75 120.15,83.862 120.6,83.862 158.15,83.862 158.6,83.862 74.9,84.35 45.725,84.5 106.5,84.5 109,84.5 144.5,84.5 147,84.5 125.44,84.625 128.04,84.625 163.44,84.625 166.04,84.625 3.375,84.75 106.4,85.4 120.15,85.412 120.6,85.412 144.4,85.4 158.15,85.412 158.6,85.412 45.725,85.425 109,85.5 147,85.5 125.44,85.625 128.04,85.625 163.44,85.625 166.04,85.625 105.5,85.9 143.5,85.9 125.25,86.625 163.25,86.625 127.925,86.675 165.925,86.675 103.3,86.9 142.975,87 141.25,87.125 124.55,87.275 162.55,87.275 123.575,87.5 161.575,87.5 119.45,87.55 157.45,87.55 118.525,87.6 156.525,87.6 59.4,87.725 60.725,87.725 61.75,87.725 102.3,87.8 140.3,87.8 127.775,87.85 165.775,87.85 105.4,87.9 117.675,87.9 143.4,87.9 155.675,87.9 122,88.425 160,88.425 121.325,88.45 159.325,88.45 45.075,88.475 45.8,88.475 107,88.5 145,88.5 107.9,88.7 145.925,88.725 127.1,88.75 165.1,88.75 102,89 105,89 140,89 143,89 122.025,89.1 160.025,89.1 121.35,89.125 159.35,89.125 77.9,89.175 88.85,89.25 42.7,89.45 126.275,89.525 164.275,89.525 84.425,89.575 85.625,89.85 9.5,90 102,90 104.5,90 140,90 142.5,90 88.05,90.175 49.1,90.25 125.25,90.25 163.25,90.25 124.05,90.375 162.05,90.375 119.825,90.425 157.825,90.425 35.1,90.65 104.5,91 142.5,91 156.925,91.05 116.275,91.1 154.275,91.1 15.425,91.15 10.55,91.225 35.963,91.262 104.5,92 116.075,92.013 118.675,92.013 142.5,92 154.075,92.013 156.675,92.013 15.425,92.15 2.6,92.2 49.05,92.4 108.665,92.438 110.215,92.438 146.665,92.438 148.215,92.438 108.665,92.888 110.215,92.888 146.665,92.888 148.215,92.888 116.075,93.013 118.675,93.013 154.075,93.013 156.675,93.013 15.425,93.15 116.75,93.925 154.75,93.925 15.425,94.15 74.35,94.65 81.4,94.675 88.175,94.7 104.688,94.975 105.688,94.975 106.688,94.975 107.688,94.975 108.687,94.975 109.687,94.975 110.687,94.975 111.687,94.975 112.687,94.975 113.687,94.975 114.687,94.975 115.687,94.975 116.687,94.975 142.688,94.975 143.688,94.975 144.688,94.975 145.687,94.975 146.687,94.975 147.687,94.975 148.687,94.975 149.687,94.975 150.687,94.975 151.687,94.975 152.687,94.975 153.687,94.975 154.687,94.975 100.5,95 138.5,95 15.425,95.15 162.9,95.6 124.25,95.673 100.5,96 103.1,96 138.5,96 141.1,96 15.425,96.15 122.6,96.5 160.6,96.5 2.525,96.625 163,96.825 124.575,96.875 118.575,96.975 156.575,96.975 100.5,97 103.1,97 138.5,97 141.1,97 141.725,97.1 121.475,97.125 159.475,97.125 15.425,97.15 16.425,97.15 17.425,97.15 18.425,97.15 19.425,97.15 20.425,97.15 21.425,97.15 22.425,97.15 23.425,97.15 103.675,97.175 117.687,97.425 155.687,97.425 81.125,97.475 104.688,97.575 105.688,97.575 106.688,97.575 107.688,97.575 108.687,97.575 109.687,97.575 110.687,97.575 111.687,97.575 112.687,97.575 113.687,97.575 114.687,97.575 115.687,97.575 116.687,97.575 142.688,97.575 143.688,97.575 144.688,97.575 145.687,97.575 146.687,97.575 147.687,97.575 148.687,97.575 149.687,97.575 150.687,97.575 151.687,97.575 152.687,97.575 153.687,97.575 154.687,97.575 120.225,97.75 158.075,97.75 100.5,98 103.1,98 138.5,98 141.1,98 124.775,98.075 162.775,98.075 85.625,98.125 53.825,98.3 119.65,98.9 123.975,98.9 157.65,98.9 161.975,98.9 100.5,99 103.1,99 138.5,99 141.1,99 122.7,99.25 160.7,99.25 100.5,100 103.1,100 138.5,100 141.1,100 122.1,100.125 160.1,100.125 84.325,100.375 100.5,101 103.1,101 138.5,101 141.1,101 50.45,101.1 119.5,101.125 122.1,101.125 157.5,101.125 160.1,101.125 50.6,101.7